# KiCad board IMXDesign.kicad_pcb (continued)
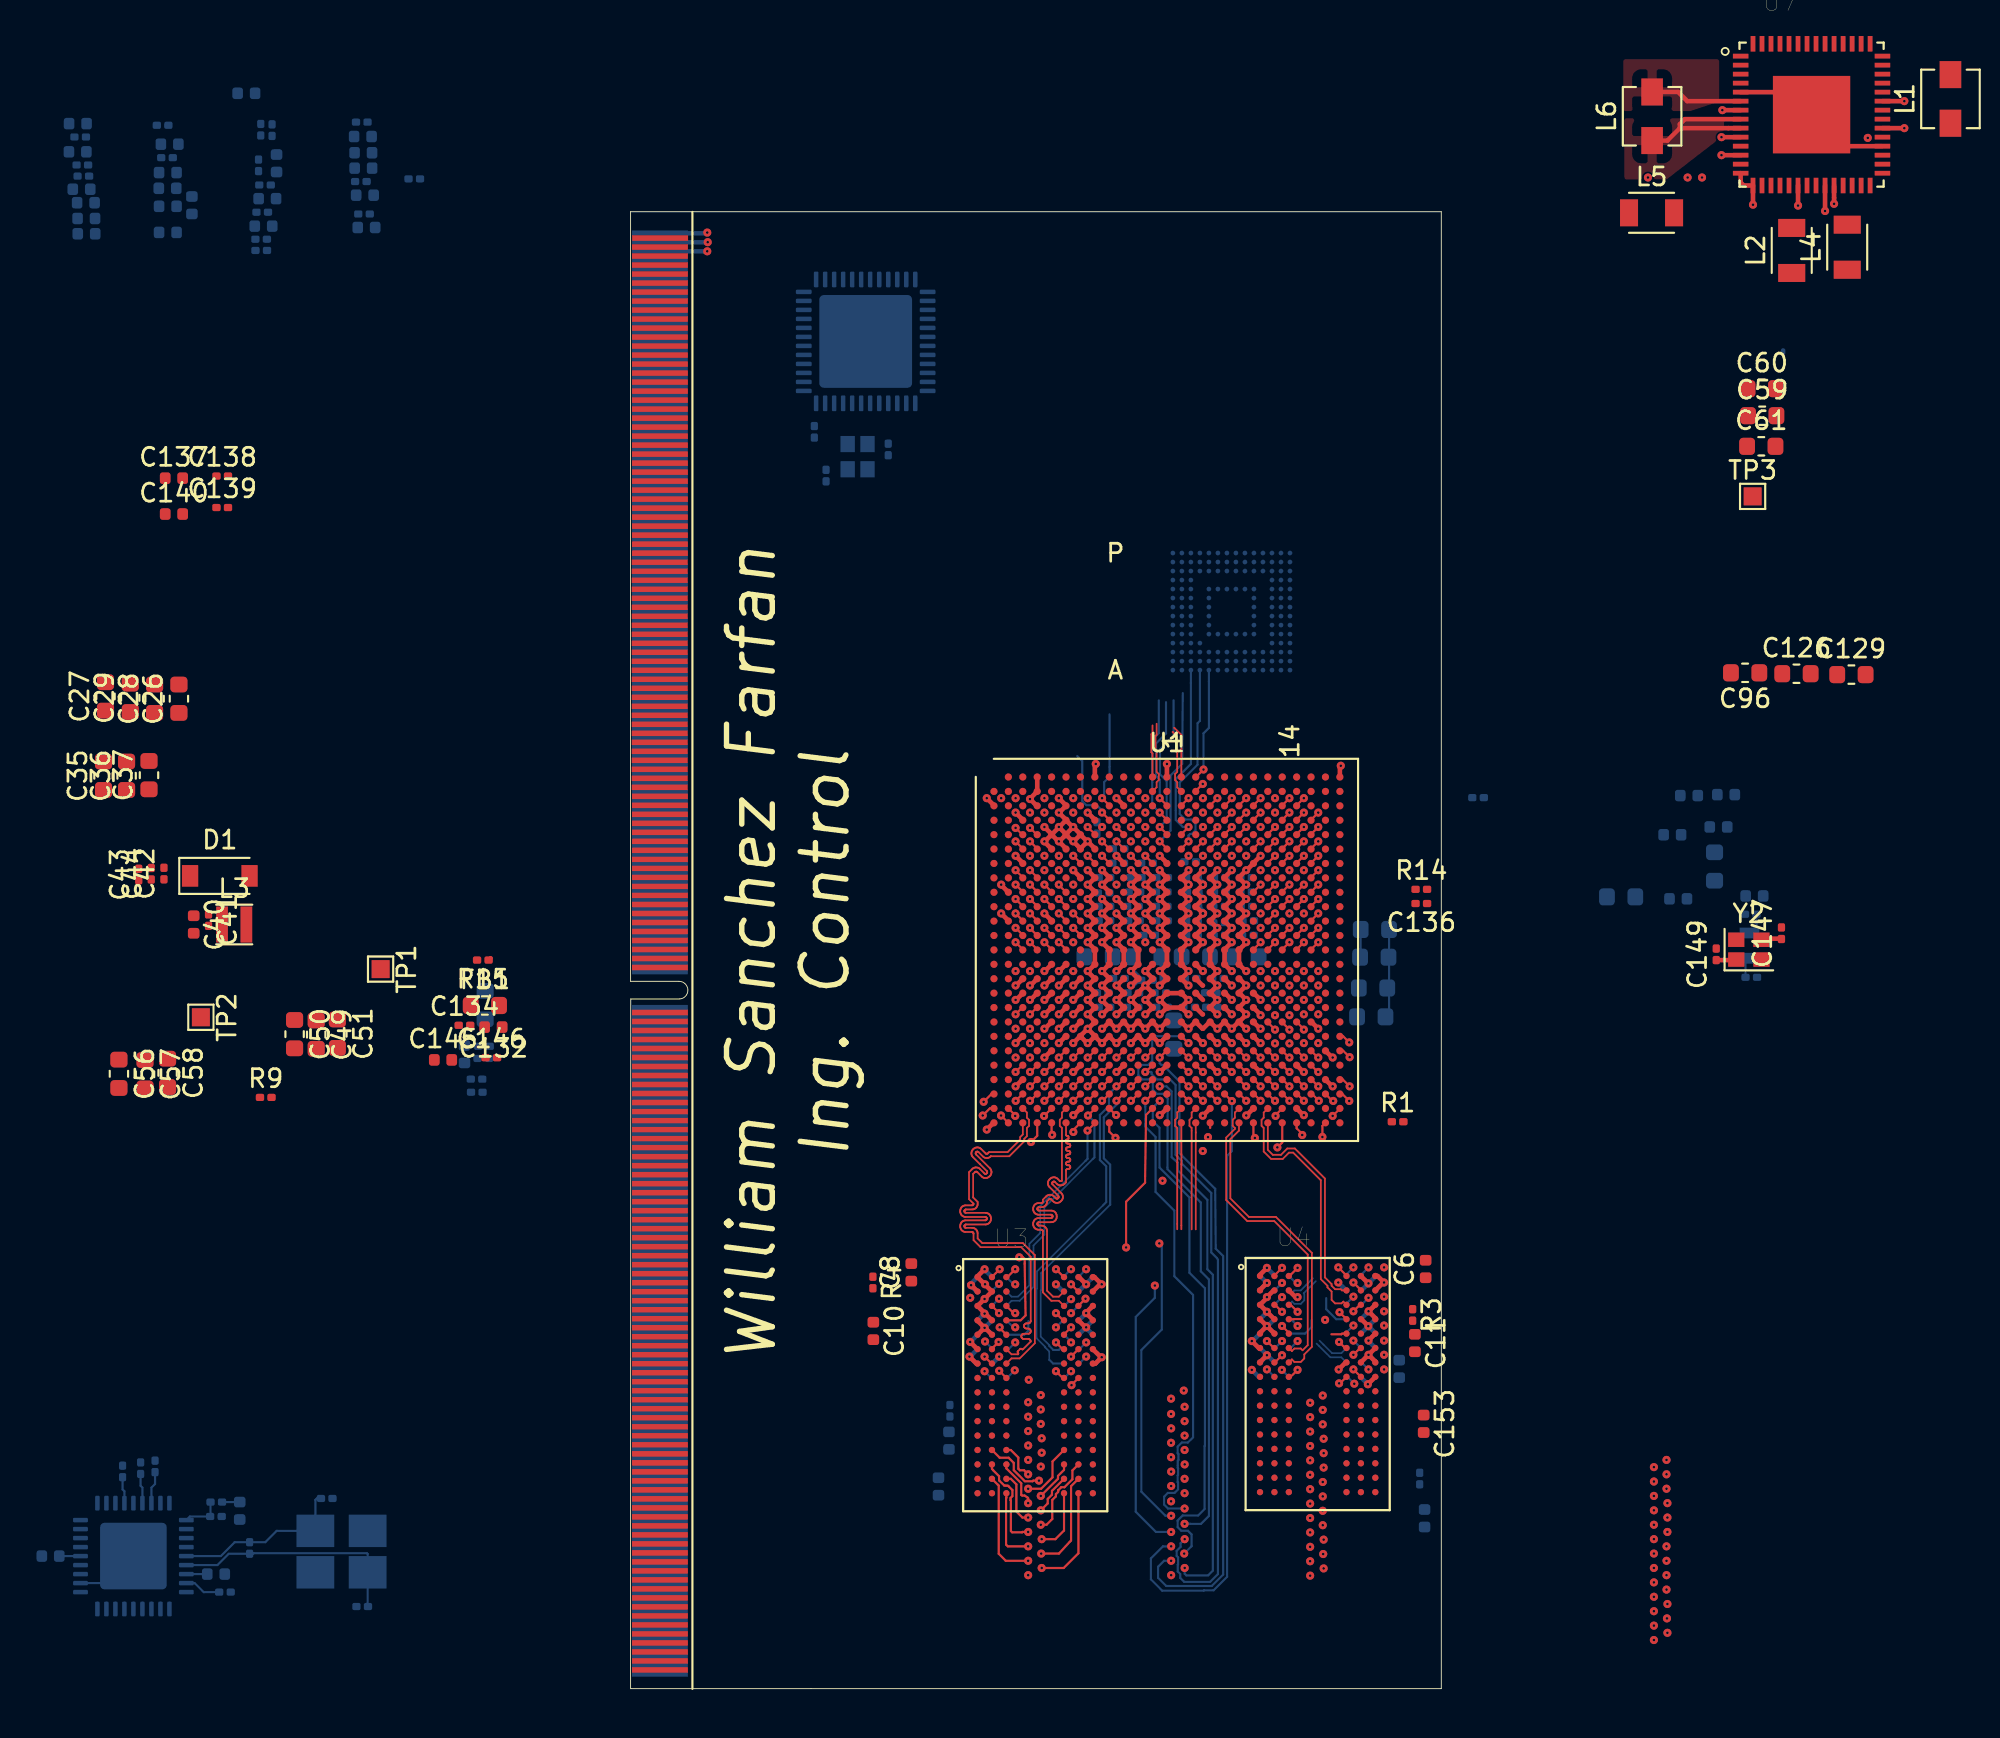
[diagram p0: board, top side]
## Routing (per net, layer and track width the routed paths; a pad name or vN(x,y) marks a point on that pad's centre or on a via; arc(x,y) is an arc through that point) (continued)
  Bottom w0.114: U2.F8 20.06,18.85
  Bottom w0.119: v1(19.67,19.28) 20.06,18.89 U2.F8
/DDR3_Memory/CPU_DDR3/DRAM_D28: length 26.1
  Top w0.119: U1.AC9 26.19,32.64 v1(26.17,32.64)
  In2.Cu w0.119: v1(21.35,19.22) 21.75,19.22 21.76,19.23 21.78,19.24 21.79,19.24 21.81,19.24 21.82,19.24 21.84,19.23 21.86,19.21 21.88,19.21 21.89,19.2 21.91,19.2 21.93,19.21 21.94,19.21 21.95,19.22 22.06,19.32 22.07,19.34 22.07,19.35 22.08,19.37 22.08,19.38 22.07,19.4 22.07,19.41 22.06,19.43 22,19.48 22.01,19.48 21.95,19.53 21.94,19.54 21.94,19.56 21.93,19.58 21.93,19.59 21.94,19.61 21.94,19.62 21.95,19.63 22.05,19.74 22.07,19.75 22.08,19.75 22.1,19.76 22.11,19.76 22.13,19.75 22.14,19.75 22.16,19.74 22.26,19.63 22.27,19.62 22.29,19.62 22.3,19.61 22.32,19.61 22.34,19.62 22.35,19.62 22.36,19.63 22.46,19.73 22.48,19.75 22.48,19.76 22.49,19.78 22.49,19.79 22.48,19.81 22.48,19.82 22.46,19.84 22.36,19.94 22.35,19.95 22.34,19.97 22.34,19.98 22.34,20 22.34,20.02 22.35,20.03 22.36,20.04 22.46,20.14 22.48,20.15 22.49,20.16 22.51,20.17 22.52,20.17 22.54,20.16 22.55,20.15 22.58,20.13 22.59,20.13 22.61,20.12 22.63,20.12 22.64,20.13 22.66,20.13 22.67,20.14 22.99,20.46 23,20.46 23.02,20.46 23.03,20.45 23.05,20.44 23.05,20.42 23.06,20.41 23.06,20.37 23.07,20.36 23.08,20.35 23.09,20.33 23.1,20.32 23.12,20.32 23.13,20.32 23.28,20.32 23.29,20.32 23.31,20.32 23.32,20.33 23.33,20.35 23.34,20.36 23.35,20.37 23.35,20.41 23.36,20.42 23.37,20.44 23.38,20.45 23.39,20.46 23.41,20.46 23.42,20.46 23.86,20.46 24.06,20.66 24.06,21.03 24.27,21.24 25.41,21.24 25.63,21.47 25.63,21.9 25.47,22.06 25.1,22.06 24.9,22.26 24.9,22.7 25.1,22.9 25.47,22.9 25.67,23.1 25.67,23.5 25.03,24.15 25.03,24.17 25.03,24.18 25.04,24.2 25.05,24.21 25.07,24.22 25.08,24.22 25.11,24.22 25.13,24.23 25.14,24.24 25.16,24.25 25.16,24.26 25.17,24.28 25.17,24.3 25.17,24.44 25.17,24.45 25.16,24.47 25.16,24.48 25.14,24.5 25.13,24.5 25.11,24.51 25.1,24.51 25.03,24.51 25.03,24.51 24.95,24.51 24.94,24.52 24.92,24.52 24.91,24.53 24.89,24.54 24.89,24.56 24.88,24.57 24.88,24.59 24.88,24.73 24.88,24.75 24.89,24.76 24.89,24.78 24.91,24.79 24.92,24.8 24.94,24.8 24.95,24.8 25.1,24.8 25.11,24.8 25.13,24.81 25.14,24.82 25.16,24.83 25.16,24.84 25.17,24.86 25.17,24.88 25.17,25.02 25.17,25.03 25.16,25.05 25.16,25.06 25.14,25.08 25.13,25.08 25.11,25.09 25.1,25.09 24.95,25.09 24.94,25.09 24.92,25.1 24.91,25.11 24.89,25.12 24.89,25.13 24.88,25.15 24.88,25.16 24.88,25.31 24.88,25.32 24.89,25.34 24.89,25.35 24.91,25.36 24.92,25.37 24.94,25.38 24.95,25.38 25.1,25.38 25.11,25.38 25.13,25.39 25.14,25.4 25.16,25.41 25.16,25.42 25.17,25.44 25.17,25.45 25.17,25.6 25.17,25.61 25.16,25.63 25.16,25.64 25.14,25.65 25.13,25.66 25.11,25.67 25.1,25.67 24.95,25.67 24.94,25.67 24.92,25.68 24.91,25.68 24.89,25.7 24.89,25.71 24.88,25.73 24.88,25.74 24.88,25.88 24.88,25.9 24.89,25.92 24.89,25.93 24.91,25.94 24.92,25.95 24.94,25.96 24.95,25.96 25.1,25.96 25.11,25.96 25.13,25.96 25.14,25.97 25.16,25.99 25.16,26 25.17,26.01 25.17,26.03 25.17,26.17 25.17,26.19 25.16,26.21 25.16,26.22 25.14,26.23 25.13,26.24 25.11,26.24 25.1,26.25 24.95,26.25 24.94,26.25 24.92,26.25 24.91,26.26 24.89,26.27 24.89,26.29 24.88,26.3 24.88,26.32 24.88,26.46 24.88,26.48 24.89,26.49 24.89,26.51 24.91,26.52 24.92,26.53 24.94,26.53 24.95,26.54 25.1,26.54 25.11,26.54 25.13,26.54 25.14,26.55 25.16,26.56 25.16,26.58 25.17,26.59 25.17,26.61 25.17,26.75 25.17,26.77 25.16,26.78 25.16,26.8 25.14,26.81 25.13,26.82 25.11,26.82 25.1,26.82 24.95,26.82 24.94,26.83 24.92,26.83 24.91,26.84 24.89,26.85 24.89,26.87 24.88,26.88 24.88,26.9 24.88,27.04 24.88,27.06 24.89,27.07 24.89,27.09 24.91,27.1 24.92,27.11 24.94,27.11 24.95,27.11 25.1,27.11 25.11,27.11 25.13,27.12 25.14,27.13 25.16,27.14 25.16,27.15 25.17,27.17 25.17,27.19 25.17,27.33 25.17,27.34 25.16,27.36 25.16,27.37 25.14,27.39 25.13,27.39 25.11,27.4 25.1,27.4 24.95,27.4 24.94,27.4 24.92,27.41 24.91,27.42 24.89,27.43 24.89,27.44 24.88,27.46 24.88,27.47 24.88,27.62 24.88,27.63 24.89,27.65 24.89,27.66 24.91,27.67 24.92,27.68 24.94,27.69 24.95,27.69 25.1,27.69 25.11,27.69 25.13,27.7 25.14,27.71 25.16,27.72 25.16,27.73 25.17,27.75 25.17,27.76 25.17,27.91 25.17,27.92 25.16,27.94 25.16,27.95 25.14,27.96 25.13,27.97 25.11,27.98 25.1,27.98 24.95,27.98 24.94,27.98 24.92,27.99 24.91,27.99 24.89,28.01 24.89,28.02 24.88,28.04 24.88,28.05 24.88,28.19 24.88,28.21 24.89,28.23 24.89,28.24 24.91,28.25 24.92,28.26 24.94,28.27 24.95,28.27 25.1,28.27 25.11,28.27 25.13,28.27 25.14,28.28 25.16,28.3 25.16,28.31 25.17,28.32 25.17,28.34 25.17,28.48 25.17,28.5 25.16,28.52 25.16,28.53 25.14,28.54 25.13,28.55 25.11,28.55 25.1,28.56 24.95,28.56 24.94,28.56 24.92,28.56 24.91,28.57 24.89,28.58 24.89,28.6 24.88,28.61 24.88,28.63 24.88,28.77 24.88,28.79 24.89,28.8 24.89,28.82 24.91,28.83 24.92,28.84 24.94,28.84 24.95,28.85 25.1,28.85 25.11,28.85 25.13,28.85 25.14,28.86 25.16,28.87 25.16,28.89 25.17,28.9 25.17,28.92 25.17,29.06 25.17,29.08 25.16,29.09 25.16,29.11 25.14,29.12 25.13,29.13 25.11,29.13 25.1,29.13 24.95,29.13 24.94,29.14 24.92,29.14 24.91,29.15 24.89,29.16 24.89,29.18 24.88,29.19 24.88,29.21 24.88,29.35 24.88,29.37 24.89,29.38 24.89,29.4 24.91,29.41 24.92,29.42 24.94,29.42 24.95,29.42 25.1,29.42 25.11,29.42 25.13,29.43 25.14,29.44 25.16,29.45 25.16,29.46 25.17,29.48 25.17,29.5 25.17,29.64 25.17,29.65 25.16,29.67 25.16,29.68 25.14,29.7 25.13,29.7 25.11,29.71 25.08,29.71 25.07,29.72 25.05,29.73 25.04,29.74 25.03,29.75 25.03,29.77 25.03,29.78 25.03,30.43 24.98,30.47 24.98,32.85 25.15,33.02 25.79,33.02 v1(26.17,32.64)
  Bottom w0.119: U2.F7 20.98,18.85 v1(21.35,19.22)
/DDR3_Memory/CPU_DDR3/DRAM_D29: length 23.5
  Top w0.119: U1.AD9 27.01,31.77
  In2.Cu w0.114: 26.9,26.62 26.9,26.45 26.9,26.42 26.89,26.4 26.88,26.38 26.86,26.36 26.84,26.35 26.81,26.34 26.79,26.34 26.37,26.34 26.35,26.33 26.32,26.32 26.3,26.31 26.28,26.29 26.27,26.27 26.26,26.25 26.26,26.22 26.26,26.2 26.27,26.17 26.28,26.15 26.3,26.13 26.32,26.12 26.35,26.11 26.37,26.11 26.79,26.11 26.81,26.1 26.84,26.1 26.86,26.08 26.88,26.06 26.89,26.04 26.9,26.02 26.9,25.99 26.9,25.97 26.89,25.94 26.88,25.92 26.86,25.9 26.84,25.89 26.81,25.88 26.79,25.88 26.77,25.88 26.75,25.88 26.72,25.87 26.7,25.85 26.68,25.84 26.67,25.81 26.66,25.79 26.66,25.76 26.66,25.74 26.67,25.71 26.68,25.69 26.7,25.67 26.72,25.66 26.75,25.65 26.77,25.65 26.79,25.65 26.81,25.65 26.84,25.64 26.86,25.62 26.88,25.61 26.89,25.59 26.9,25.56 26.9,25.54 26.9,25.51 26.89,25.49 26.88,25.46 26.86,25.45 26.84,25.43 26.81,25.42 26.79,25.42 26.67,25.42 26.65,25.42 26.62,25.41 26.6,25.4 26.58,25.38 26.57,25.36 26.56,25.33 26.56,25.31 26.56,25.28 26.57,25.26 26.58,25.24 26.6,25.22 26.62,25.2 26.65,25.2 26.67,25.19 26.79,25.19 26.81,25.19 26.84,25.18 26.86,25.17 26.88,25.15 26.89,25.13 26.9,25.1 26.9,25.08 26.9,25.05 26.89,25.03 26.88,25.01 26.86,24.99 26.84,24.98 26.81,24.97 26.79,24.96 26.77,24.96 26.75,24.96 26.72,24.95 26.7,24.94 26.68,24.92 26.67,24.9 26.66,24.88 26.66,24.85 26.66,24.82 26.67,24.8 26.68,24.78 26.7,24.76 26.72,24.75 26.75,24.74 26.77,24.74 26.79,24.74 26.81,24.73 26.84,24.72 26.86,24.71 26.88,24.69 26.89,24.67 26.9,24.65 26.9,24.62 26.9,24.6 26.89,24.57 26.88,24.55 26.86,24.53 26.84,24.52 26.81,24.51 26.79,24.51 26.57,24.51 26.55,24.5 26.52,24.5 26.5,24.48 26.48,24.46 26.47,24.44 26.46,24.42 26.46,24.39 26.46,24.37 26.47,24.34 26.48,24.32 26.5,24.3 26.52,24.29 26.55,24.28 26.57,24.28 26.79,24.28 26.81,24.28 26.84,24.27 26.86,24.25 26.88,24.24 26.89,24.21 26.9,24.19 26.9,24.16 26.9,24.14 26.89,24.11 26.88,24.09 26.86,24.07 26.84,24.06 26.81,24.05 26.79,24.05 26.57,24.05 26.55,24.05 26.52,24.04 26.5,24.02 26.48,24.01 26.47,23.98 26.46,23.96 26.46,23.94 26.46,23.91 26.47,23.89 26.48,23.86 26.5,23.85 26.52,23.83 26.55,23.82 26.57,23.82 26.79,23.82 26.81,23.82 26.84,23.81 26.86,23.8 26.88,23.78 26.89,23.76 26.9,23.73 26.9,23.71 26.9,23.68 26.89,23.66 26.88,23.64 26.86,23.62 26.84,23.6 26.81,23.6 26.79,23.59 26.57,23.59 26.55,23.59 26.52,23.58 26.5,23.57 26.48,23.55 26.47,23.53 26.46,23.5 26.46,23.48 26.46,23.45 26.47,23.43 26.48,23.41 26.5,23.39 26.52,23.38 26.55,23.37 26.57,23.36 26.79,23.36 26.81,23.36 26.84,23.35 26.86,23.34 26.88,23.32 26.89,23.3 26.9,23.28 26.9,23.25 26.9,23.23 26.89,23.22 26.88,23.2 26.87,23.19 26.86,23.18 26.84,23.18 26.81,23.18 26.8,23.17 26.78,23.16 26.77,23.15 26.76,23.14 26.76,23.12 26.76,23.11 26.76,23.02 26.76,23.01 26.76,22.99 26.77,22.98 26.78,22.96 26.8,22.96 26.81,22.95 26.84,22.95 26.86,22.94 26.87,22.93 26.88,22.92 26.89,22.91 26.9,22.89 26.9,22.88 26.9,22.79 26.9,22.78 26.9,22.77 26.89,22.76 26.88,22.75 26.87,22.75 26.86,22.74 26.84,22.74 26.83,22.74 26.82,22.73 26.81,22.72 26.8,22.71 26.8,22.7 26.8,22.69 26.8,22.56 26.8,22.55 26.8,22.54 26.81,22.53 26.82,22.52 26.83,22.52 26.84,22.52 26.86,22.51 26.87,22.51 26.88,22.5 26.89,22.49 26.9,22.49 26.9,22.47 26.9,22.46 26.9,22.34 26.9,22.32 26.9,22.31 26.89,22.3 26.88,22.3 26.87,22.29 26.86,22.29 26.84,22.28 26.83,22.28 26.82,22.27 26.81,22.27 26.8,22.26 26.8,22.25 26.8,22.24 26.8,22.11 26.8,22.1 26.8,22.08 26.81,22.08 26.82,22.07 26.83,22.06 26.84,22.06 26.86,22.06 26.87,22.05 26.88,22.05 26.89,22.04 26.9,22.03 26.9,22.02 26.9,22.01 26.9,21.88 26.9,21.85 26.89,21.83 26.88,21.81 26.86,21.79 26.84,21.78 26.81,21.77 26.79,21.76 26.62,21.76 26.6,21.76 26.57,21.75 26.55,21.74 26.53,21.72 26.52,21.7 26.51,21.67 26.51,21.65 26.51,21.62 26.52,21.6 26.53,21.58 26.55,21.56 26.57,21.55 26.6,21.54 26.62,21.54 26.79,21.54 26.81,21.53 26.84,21.52 26.86,21.51 26.88,21.49 26.89,21.47 26.9,21.45 26.9,21.42 26.9,21.4 26.89,21.37 26.88,21.35 26.86,21.33 26.84,21.32 26.81,21.31 26.79,21.31 26.57,21.31 26.55,21.3 26.52,21.3 26.5,21.28 26.48,21.26 26.47,21.24 26.46,21.22 26.46,21.19 26.46,21.17 26.47,21.14 26.48,21.12 26.5,21.1 26.52,21.09 26.55,21.08 26.57,21.08 26.79,21.08 26.81,21.08 26.84,21.07 26.86,21.05 26.88,21.03 26.89,21.01 26.9,20.99 26.9,20.96 26.9,20.47 26.88,20.46 26.86,20.45 26.83,20.44 26.81,20.44 26.78,20.45 26.76,20.46 26.74,20.48 26.62,20.6 26.6,20.61 26.58,20.62 26.56,20.63 26.53,20.63 26.51,20.63 26.48,20.61 26.46,20.6 26.45,20.58 26.43,20.56 26.43,20.53 26.43,20.51 26.43,20.48 26.44,20.46 26.46,20.44 26.57,20.32 26.59,20.3 26.6,20.28 26.61,20.25 26.61,20.22 26.6,20.2 26.59,20.18 26.57,20.16 26.55,20.14 26.53,20.13 26.51,20.13 26.49,20.13 26.47,20.14 26.45,20.15 26.42,20.17 26.4,20.18 26.38,20.19 26.36,20.19 26.33,20.18 26.31,20.18 26.3,20.16 26.27,20.14 26.26,20.12 26.25,20.1 26.24,20.08 26.24,20.06 26.25,20.04 26.26,20.02 26.28,19.98 26.29,19.96 26.3,19.94 26.3,19.92 26.29,19.9 26.28,19.88 26.27,19.86 26.24,19.84 26.23,19.83 26.21,19.82 26.18,19.81 26.16,19.81 26.14,19.82 26.12,19.83 26.09,19.86 26.07,19.87 26.05,19.87 26.03,19.87 26.01,19.87 25.99,19.86 25.97,19.84 25.94,19.82 25.93,19.8 25.92,19.78 25.91,19.76 25.91,19.74 25.92,19.72 25.93,19.7 25.94,19.68 26.01,19.61 26.01,19.61 26.1,19.52 26.11,19.5 26.12,19.47 26.13,19.45 26.13,19.42 26.12,19.4 26.11,19.38 26.09,19.36 26.07,19.34 26.05,19.33 26.03,19.32 26,19.33 25.97,19.33 25.95,19.34 25.93,19.36 25.92,19.37 25.9,19.39 25.88,19.4 25.85,19.4 25.83,19.4 25.8,19.4 25.78,19.39 25.76,19.37 25.6,19.22 v1(25.29,19.22)
  In2.Cu w0.119: 27.31,29.28 27.31,29.86 27.1,30.07 26.67,30.07 26.5,29.9 26.5,29.78 26.5,29.76 26.5,29.75 26.49,29.74 26.48,29.74 26.47,29.73 26.46,29.73 26.44,29.72 26.43,29.72 26.42,29.71 26.41,29.71 26.4,29.7 26.4,29.69 26.4,29.68 26.4,29.54 26.4,29.53 26.4,29.51 26.41,29.51 26.42,29.5 26.43,29.49 26.44,29.49 26.45,29.49 26.58,29.49 26.59,29.48 26.61,29.48 26.62,29.47 26.63,29.46 26.64,29.44 26.65,29.43 26.65,29.41 26.65,29.32 26.65,29.31 26.64,29.29 26.63,29.28 26.62,29.26 26.61,29.25 26.59,29.25 26.58,29.25 26.45,29.25 26.44,29.25 26.43,29.24 26.42,29.24 26.41,29.23 26.4,29.22 26.4,29.21 26.4,29.2 26.4,29.06 26.4,29.05 26.4,29.04 26.41,29.03 26.42,29.02 26.43,29.01 26.44,29.01 26.45,29.01 26.58,29.01 26.59,29.01 26.61,29 26.62,28.99 26.63,28.98 26.64,28.97 26.65,28.95 26.65,28.93 26.65,28.84 26.65,28.83 26.64,28.81 26.63,28.8 26.62,28.79 26.61,28.78 26.59,28.77 26.57,28.77 26.45,28.77 26.44,28.77 26.43,28.77 26.42,28.76 26.41,28.75 26.4,28.74 26.4,28.73 26.4,28.72 26.4,28.58 26.4,28.57 26.4,28.56 26.41,28.55 26.42,28.54 26.43,28.54 26.44,28.53 26.45,28.53 26.55,28.53 26.56,28.53 26.57,28.53 26.58,28.52 26.59,28.51 26.6,28.5 26.6,28.49 26.6,28.48 26.6,28.34 26.6,28.33 26.6,28.32 26.59,28.31 26.58,28.3 26.57,28.3 26.56,28.29 26.55,28.29 26.45,28.29 26.44,28.29 26.43,28.29 26.42,28.28 26.41,28.27 26.4,28.26 26.4,28.25 26.4,28.24 26.4,28.1 26.4,28.09 26.4,28.08 26.41,28.07 26.42,28.06 26.43,28.06 26.44,28.05 26.45,28.05 26.55,28.05 26.56,28.05 26.57,28.05 26.58,28.04 26.59,28.03 26.6,28.03 26.6,28.01 26.6,28 26.6,27.86 26.6,27.85 26.6,27.84 26.59,27.83 26.58,27.83 26.57,27.82 26.56,27.82 26.55,27.81 26.45,27.81 26.44,27.81 26.43,27.81 26.42,27.8 26.41,27.8 26.4,27.79 26.4,27.78 26.4,27.76 26.4,27.63 26.4,27.62 26.4,27.6 26.41,27.59 26.42,27.59 26.43,27.58 26.44,27.58 26.45,27.58 26.55,27.58 26.56,27.57 26.57,27.57 26.58,27.57 26.59,27.56 26.6,27.55 26.6,27.54 26.6,27.53 26.6,27.39 26.6,27.38 26.6,27.37 26.59,27.36 26.58,27.35 26.57,27.34 26.56,27.34 26.54,27.34 26.53,27.33 26.52,27.33 26.51,27.32 26.5,27.31 26.5,27.3 26.5,27.29 26.5,27.03 26.9,26.62
  Bottom w0.119: U2.F2 24.91,18.85 v1(25.29,19.22)
  vias: v1(26.95,31.85)
/DDR3_Memory/CPU_DDR3/DRAM_D30: length 23.4
  In2.Cu w0.119: 28.63,30.12 28.63,27.8 28.63,27.78 28.62,27.75 28.6,27.73 28.58,27.71 28.56,27.69 28.53,27.68 28.48,27.68 28.45,27.67 28.43,27.65 28.41,27.63 28.39,27.61 28.38,27.58 28.38,27.55 28.38,27.35 28.38,27.33 28.39,27.3 28.41,27.28 28.43,27.26 28.45,27.24 28.48,27.23 28.5,27.23 28.63,27.23 28.7,27.23 28.72,27.23 28.73,27.22 28.75,27.21 28.76,27.2 28.77,27.19 28.78,27.17 28.78,27.15 28.78,26.85 28.78,26.84 28.77,26.82 28.76,26.81 28.75,26.79 28.73,26.79 28.72,26.78 28.69,26.78 28.67,26.77 28.66,26.76 28.64,26.75 28.64,26.74 28.63,26.72 28.63,26.7 28.11,26.18 28.11,24.73 28.1,24.7 28.09,24.68 28.08,24.65 28.06,24.63 28.04,24.62 28.01,24.61 27.95,24.6 27.93,24.59 27.9,24.58 27.88,24.56 27.87,24.53 27.86,24.51 27.86,24.48 27.86,24.28 27.86,24.25 27.87,24.23 27.88,24.2 27.9,24.18 27.93,24.17 27.95,24.16 28.01,24.15 28.04,24.14 28.06,24.13 28.08,24.11 28.09,24.08 28.1,24.06 28.11,24.03 28.11,23.83 28.1,23.8 28.09,23.78 28.08,23.75 28.06,23.73 28.04,23.72 28.01,23.71 27.95,23.7 27.93,23.69 27.9,23.68 27.88,23.66 27.87,23.63 27.86,23.61 27.86,23.58 27.86,23.38 27.86,23.35 27.87,23.33 27.88,23.3 27.9,23.28 27.93,23.27 27.95,23.26 28.01,23.25 28.04,23.24 28.06,23.23 28.08,23.21 28.09,23.18 28.1,23.16 28.11,23.13 28.11,22.93 28.1,22.9 28.09,22.88 28.08,22.85 28.06,22.83 28.04,22.82 28.01,22.81 27.95,22.8 27.93,22.79 27.9,22.78 27.88,22.76 27.87,22.73 27.86,22.71 27.86,22.68 27.86,22.48 27.86,22.45 27.87,22.43 27.88,22.4 27.9,22.38 27.93,22.37 27.95,22.36 28.01,22.35 28.04,22.34 28.06,22.33 28.08,22.31 28.09,22.28 28.1,22.26 28.11,22.23 28.11,22.03 28.1,22 28.09,21.98 28.08,21.95 28.06,21.93 28.04,21.92 28.01,21.91 27.95,21.9 27.93,21.89 27.9,21.88 27.88,21.86 27.87,21.83 27.86,21.81 27.86,21.78 27.86,21.58 27.86,21.55 27.87,21.53 27.88,21.5 27.9,21.48 27.93,21.47 27.95,21.46 28.01,21.45 28.04,21.44 28.06,21.43 28.08,21.41 28.09,21.38 28.1,21.36 28.11,21.33 28.11,21.13 28.1,21.1 28.09,21.08 28.08,21.05 28.06,21.03 28.04,21.02 28.01,21.01 27.95,21 27.93,20.99 27.9,20.98 27.88,20.96 27.87,20.93 27.86,20.91 27.86,20.88 27.86,20.68 27.86,20.65 27.87,20.63 27.88,20.6 27.9,20.58 27.93,20.57 27.95,20.56 28.01,20.55 28.04,20.54 28.06,20.53 28.08,20.51 28.09,20.48 28.1,20.46 28.11,20.43 28.11,20.23 28.1,20.2 28.09,20.18 28.08,20.15 28.06,20.13 28.04,20.12 28.01,20.11 27.95,20.1 27.93,20.09 27.9,20.08 27.88,20.06 27.87,20.03 27.86,20.01 27.86,19.98 27.86,19.78 27.86,19.75 27.87,19.73 27.88,19.7 27.9,19.68 27.93,19.67 27.95,19.66 28.01,19.65 28.04,19.64 28.06,19.63 28.08,19.61 28.09,19.58 28.1,19.56 28.11,19.53 27.54,18.97 27.53,18.95 27.52,18.93 27.51,18.91 27.51,18.89 27.52,18.86 27.53,18.84 27.56,18.81 27.57,18.79 27.57,18.77 27.57,18.74 27.57,18.72 27.56,18.7 27.54,18.69 27.36,18.51 27.35,18.49 27.33,18.48 27.3,18.48 27.28,18.48 27.26,18.48 27.24,18.49 27.22,18.51 27.07,18.67 27.04,18.68 27.02,18.7 26.99,18.7 26.96,18.7 26.94,18.7 26.91,18.68 26.89,18.67 26.75,18.52 26.73,18.5 26.72,18.48 26.71,18.45 26.71,18.42 26.72,18.39 26.73,18.37 26.75,18.35 26.91,18.19 26.92,18.17 26.93,18.15 26.93,18.13 26.93,18.11 26.93,18.09 26.92,18.07 26.91,18.05 26.73,17.87 26.71,17.86 26.69,17.85 26.67,17.84 26.65,17.84 26.62,17.85 26.6,17.86 26.59,17.87 26.45,18.01 26.43,18.03 26.41,18.04 26.39,18.04 26.37,18.04 26.34,18.04 26.32,18.03 26.31,18.01 26.13,17.83 26.11,17.82 26.1,17.8 26.1,17.78 26.1,17.75 26.1,17.73 26.11,17.71 26.13,17.69 26.2,17.62 26.27,17.55 26.28,17.54 26.29,17.52 26.3,17.49 26.3,17.47 26.29,17.45 26.28,17.43 26.27,17.41 26.09,17.23 26.07,17.22 26.05,17.21 26.03,17.21 26.01,17.21 25.99,17.21 25.97,17.22 25.93,17.25 25.91,17.26 25.89,17.26 25.87,17.26 25.85,17.26 25.83,17.25 25.81,17.23 24.13,17.23 24.1,17.23 24.07,17.22 24.05,17.21 24.03,17.19 24.02,17.16 24.01,17.14 24,17.08 23.99,17.06 23.98,17.03 23.96,17.01 23.93,17 23.91,16.99 23.88,16.99 23.68,16.99 23.65,16.99 23.62,17 23.6,17.01 23.58,17.03 23.57,17.06 23.56,17.08 23.55,17.14 23.54,17.16 23.53,17.19 23.51,17.21 23.48,17.22 23.46,17.23 23.43,17.23 22.99,17.67 v1(21.32,17.67)
  Bottom w0.114: v1(21.32,17.67) 20.9,17.25 U2.H7
/DDR3_Memory/CPU_DDR3/DRAM_D31: length 26.1
  Top w0.119: U1.AC11 27.8,32.64 v1(27.77,32.64)
  In2.Cu w0.119: v1(27.77,32.64) 27.19,32.06 27.17,32.04 27.15,32.03 27.12,32.03 27.09,32.03 27.07,32.03 27.04,32.04 27.02,32.06 26.91,32.17 26.89,32.19 26.86,32.2 26.84,32.21 26.81,32.21 26.78,32.2 26.76,32.19 26.74,32.17 26.72,32.15 26.71,32.13 26.7,32.1 26.7,32.08 26.71,32.05 26.72,32.03 26.74,32.01 27.1,31.64 27.12,31.62 27.13,31.6 27.13,31.57 27.13,31.55 27.13,31.52 27.12,31.5 27.1,31.47 27.08,31.46 27.05,31.45 27.03,31.44 27,31.44 26.98,31.45 26.95,31.46 26.93,31.47 26.57,31.84 26.55,31.85 26.52,31.86 26.5,31.87 26.47,31.87 26.45,31.86 26.42,31.85 26.4,31.84 26.38,31.82 26.37,31.79 26.37,31.77 26.37,31.74 26.37,31.71 26.38,31.69 26.4,31.67 26.73,31.34 26.74,31.32 26.76,31.3 26.76,31.27 26.76,31.24 26.76,31.22 26.74,31.19 26.73,31.17 26.71,31.16 26.68,31.14 26.66,31.14 26.63,31.14 26.6,31.14 26.58,31.16 26.56,31.17 26.27,31.46 26.25,31.48 26.22,31.49 26.2,31.5 26.17,31.5 26.14,31.49 26.12,31.48 26.1,31.46 26.08,31.44 26.07,31.42 26.06,31.39 26.06,31.37 26.07,31.34 26.08,31.32 26.1,31.29 26.18,31.22 26.19,31.19 26.21,31.17 26.2,31.1 26.2,30.8 26.03,30.63 26.03,30.61 26.02,30.59 26.01,30.57 26,30.56 25.98,30.55 25.96,30.54 25.92,30.54 25.9,30.53 25.88,30.52 25.86,30.5 25.85,30.48 25.85,30.46 25.84,30.44 25.84,30.29 25.85,30.27 25.85,30.25 25.86,30.23 25.88,30.22 25.9,30.21 25.92,30.2 25.94,30.2 26.03,30.2 26.03,30.19 26.15,30.19 26.18,30.19 26.2,30.18 26.23,30.17 26.24,30.15 26.26,30.13 26.27,30.1 26.27,30.07 26.27,29.97 26.27,29.95 26.26,29.92 26.24,29.9 26.23,29.88 26.2,29.87 26.18,29.86 26.15,29.85 25.94,29.85 25.92,29.85 25.9,29.85 25.88,29.83 25.86,29.82 25.85,29.8 25.85,29.78 25.84,29.76 25.84,29.61 25.85,29.59 25.85,29.57 25.86,29.55 25.88,29.54 25.9,29.52 25.92,29.52 25.94,29.52 26.1,29.52 26.12,29.51 26.13,29.51 26.14,29.5 26.16,29.49 26.16,29.48 26.17,29.46 26.17,29.45 26.17,29.25 26.17,29.23 26.16,29.22 26.16,29.2 26.14,29.19 26.13,29.18 26.12,29.18 26.09,29.18 26.07,29.17 26.06,29.16 26.05,29.15 26.04,29.14 26.03,29.12 26.03,29.11 26.03,28.47 26.03,28.45 26.03,28.44 26.02,28.43 26.01,28.42 25.99,28.41 25.98,28.4 25.95,28.4 25.94,28.4 25.93,28.39 25.92,28.38 25.91,28.37 25.9,28.35 25.9,28.34 25.9,27.88 25.9,27.86 25.91,27.85 25.92,27.84 25.93,27.83 25.94,27.82 25.95,27.82 25.98,27.81 25.99,27.81 26.01,27.8 26.02,27.79 26.03,27.78 26.03,27.76 26.03,27.75 26.03,25.94 26.15,25.82 26.17,25.78 26.17,23 26.54,22.63 26.54,22.26 26.21,21.94 26.21,20.42 25.47,19.68 24.33,19.68 24.06,19.41 24.06,19.11 23.8,18.84 23.43,18.84 23.41,18.85 23.05,18.85 22.78,18.57 22.78,18.3 23.02,18.05 24.9,18.05 v1(25.29,18.44)
  Bottom w0.119: v1(25.29,18.44) 24.9,18.05 U2.G2
/DDR3_Memory/CPU_DDR3/DRAM_D32: length 27.7
  Top w0.114: v1(36.16,20.14) 36.54,19.76 U4.E3
  Top w0.119: 36.6,19.71 U4.E3 36.54,19.68 ; U1.AA17 33.34,34.24 v1(33.37,34.24)
  In1.Cu w0.114: v1(36.16,20.14) 35.89,20.14 35.48,20.54 34.88,20.54 34.7,20.72 34.7,21.38 34.22,21.85 34.22,21.86 34.22,21.87 34.21,21.88 34.21,21.89 34.2,21.9 34.19,21.9 34.16,21.9 34.15,21.9 34.14,21.91 34.14,21.92 34.13,21.93 34.13,21.94 34.12,21.95 34.12,22.08 34.13,22.09 34.13,22.1 34.14,22.11 34.14,22.12 34.15,22.12 34.16,22.13 34.17,22.13 34.32,22.13 34.35,22.13 34.37,22.14 34.39,22.15 34.4,22.17 34.41,22.18 34.42,22.21 34.42,22.23 34.42,22.26 34.42,22.28 34.41,22.3 34.4,22.32 34.39,22.34 34.37,22.35 34.35,22.35 34.3,22.36 34.28,22.37 34.26,22.38 34.25,22.39 34.23,22.41 34.23,22.43 34.22,22.46 34.22,22.7 33.92,23 33.93,23.02 33.93,23.04 33.95,23.06 33.96,23.08 33.98,23.09 34,23.1 34.05,23.1 34.07,23.11 34.09,23.12 34.1,23.14 34.11,23.15 34.12,23.18 34.12,23.2 34.12,23.23 34.12,23.25 34.11,23.27 34.1,23.29 34.09,23.31 34.07,23.32 34.05,23.32 34.02,23.33 33.92,23.33 33.88,23.33 33.86,23.33 33.85,23.33 33.84,23.34 33.84,23.35 33.83,23.36 33.83,23.37 33.83,23.38 33.83,23.51 33.83,23.52 33.83,23.53 33.84,23.54 33.84,23.55 33.85,23.55 33.86,23.56 33.88,23.56 34.02,23.56 34.05,23.56 34.07,23.57 34.09,23.58 34.1,23.59 34.11,23.61 34.12,23.63 34.12,23.66 34.12,23.69 34.12,23.71 34.11,23.73 34.1,23.75 34.09,23.76 34.07,23.78 34.05,23.78 34.02,23.79 33.88,23.79 33.86,23.79 33.85,23.79 33.84,23.8 33.84,23.8 33.83,23.81 33.83,23.82 33.83,23.84 33.83,23.96 33.83,23.98 33.83,23.99 33.84,24 33.84,24 33.85,24.01 33.86,24.01 33.88,24.01 34.02,24.01 34.05,24.02 34.07,24.02 34.09,24.04 34.1,24.05 34.11,24.07 34.12,24.09 34.12,24.11 34.12,24.14 34.12,24.17 34.11,24.19 34.1,24.21 34.09,24.22 34.07,24.23 34.05,24.24 34.02,24.24 33.88,24.24 33.86,24.24 33.85,24.25 33.84,24.25 33.84,24.26 33.83,24.27 33.83,24.28 33.83,24.29 33.83,24.42 33.83,24.43 33.83,24.44 33.84,24.45 33.84,24.46 33.85,24.47 33.86,24.47 33.88,24.47 34.02,24.47 34.05,24.47 34.07,24.48 34.09,24.49 34.1,24.51 34.11,24.53 34.12,24.55 34.12,24.57 34.12,24.6 34.12,24.62 34.11,24.64 34.1,24.66 34.09,24.68 34.07,24.69 34.05,24.7 34.02,24.7 33.88,24.7 33.86,24.7 33.85,24.71 33.84,24.71 33.84,24.72 33.83,24.73 33.83,24.74 33.83,24.75 33.83,24.88 33.83,24.89 33.83,24.9 33.84,24.91 33.84,24.92 33.85,24.92 33.86,24.93 33.88,24.93 34.02,24.93 34.05,24.93 34.07,24.94 34.09,24.95 34.1,24.97 34.11,24.98 34.12,25.01 34.12,25.03 34.12,25.06 34.12,25.08 34.11,25.1 34.1,25.12 34.09,25.14 34.07,25.15 34.05,25.15 34.02,25.16 33.88,25.16 33.86,25.16 33.85,25.16 33.84,25.17 33.84,25.18 33.83,25.19 33.83,25.2 33.83,25.21 33.83,25.34 33.83,25.35 33.83,25.36 33.84,25.37 33.84,25.38 33.85,25.38 33.86,25.38 33.88,25.39 34.02,25.39 34.05,25.39 34.07,25.4 34.09,25.41 34.1,25.42 34.11,25.44 34.12,25.46 34.12,25.48 34.12,25.52 34.12,25.54 34.11,25.56 34.1,25.58 34.09,25.59 34.07,25.6 34.05,25.61 34.02,25.61 33.88,25.61 33.86,25.62 33.85,25.62 33.84,25.63 33.84,25.63 33.83,25.64 33.83,25.65 33.83,25.66 33.83,25.79 33.83,25.8 33.83,25.81 33.84,25.82 33.84,25.83 33.85,25.84 33.86,25.84 33.88,25.84 34.02,25.84 34.05,25.85 34.07,25.85 34.09,25.86 34.1,25.88 34.11,25.9 34.12,25.92 34.12,25.94 34.12,25.97 34.12,26 34.11,26.02 34.1,26.03 34.09,26.05 34.07,26.06 34.05,26.07 34.02,26.07 33.88,26.07 33.86,26.07 33.85,26.08 33.84,26.08 33.84,26.09 33.83,26.1 33.83,26.11 33.83,26.12 33.83,26.25 33.83,26.26 33.83,26.27 33.84,26.28 33.84,26.29 33.85,26.3 33.86,26.3 33.88,26.3 34.02,26.3 34.05,26.3 34.07,26.31 34.09,26.32 34.1,26.34 34.11,26.36 34.12,26.38 34.12,26.4 34.12,26.43 34.12,26.45 34.11,26.47 34.1,26.49 34.09,26.51 34.07,26.52 34.05,26.53 34.02,26.53 33.88,26.53 33.86,26.53 33.85,26.53 33.84,26.54 33.84,26.55 33.83,26.56 33.83,26.57 33.83,26.58 33.83,26.71 33.83,26.72 33.83,26.73 33.84,26.74 33.84,26.75 33.85,26.75 33.86,26.76 33.88,26.76 34.02,26.76 34.05,26.76 34.07,26.77 34.09,26.78 34.1,26.79 34.11,26.81 34.12,26.83 34.12,26.86 34.12,26.89 34.12,26.91 34.11,26.93 34.1,26.95 34.09,26.96 34.07,26.98 34.05,26.98 34.02,26.99 33.88,26.99 33.86,26.99 33.85,26.99 33.84,27 33.84,27.01 33.83,27.01 33.83,27.03 33.83,27.04 33.83,27.16 33.83,27.18 33.83,27.19 33.84,27.2 33.84,27.2 33.85,27.21 33.86,27.21 33.88,27.21 34.02,27.21 34.05,27.22 34.07,27.22 34.09,27.24 34.1,27.25 34.11,27.27 34.12,27.29 34.12,27.31 34.12,27.34 34.12,27.37 34.11,27.39 34.1,27.41 34.09,27.42 34.07,27.43 34.05,27.44 34.02,27.44 33.88,27.44 33.86,27.44 33.85,27.45 33.84,27.45 33.84,27.46 33.83,27.47 33.83,27.48 33.83,27.49 33.83,27.62 33.83,27.63 33.83,27.64 33.84,27.65 33.84,27.66 33.85,27.67 33.86,27.67 33.88,27.67 34.02,27.67 34.05,27.67 34.07,27.68 34.09,27.69 34.1,27.71 34.11,27.73 34.12,27.75 34.12,27.77 34.12,27.8 34.12,27.82 34.11,27.84 34.1,27.86 34.09,27.88 34.07,27.89 34.05,27.9 34.02,27.9 33.88,27.9 33.86,27.9 33.85,27.91 33.84,27.91 33.84,27.92 33.83,27.93 33.83,27.94 33.83,27.95 33.83,28.08 33.83,28.09 33.83,28.1 33.84,28.11 33.84,28.12 33.85,28.12 33.86,28.13 33.88,28.13 34.02,28.13 34.05,28.13 34.07,28.14 34.09,28.15 34.83,28.89 34.83,29.72 34.94,29.83 34.94,29.96 35.54,30.56 35.54,30.84 35.83,31.13 35.83,31.21 36.29,31.66 36.29,31.88 35.98,32.18 35.66,32.18 35.35,32.49 35.35,32.82 35.15,33.02 34.82,33.02 34.59,33.26 34.59,35.19 34.35,35.42 33.99,35.42 33.79,35.22 33.79,34.89 33.37,34.47 v1(33.37,34.24) ; v1(36.16,20.14) 36.04,20.14 36.03,20.12 ; v1(36.16,20.14) 36.19,20.14
  In1.Cu w0.119: v1(33.37,34.24) 33.37,34.26
